# Altium PCB PCB - v2.PcbDoc (part 1 of 2) (continued)
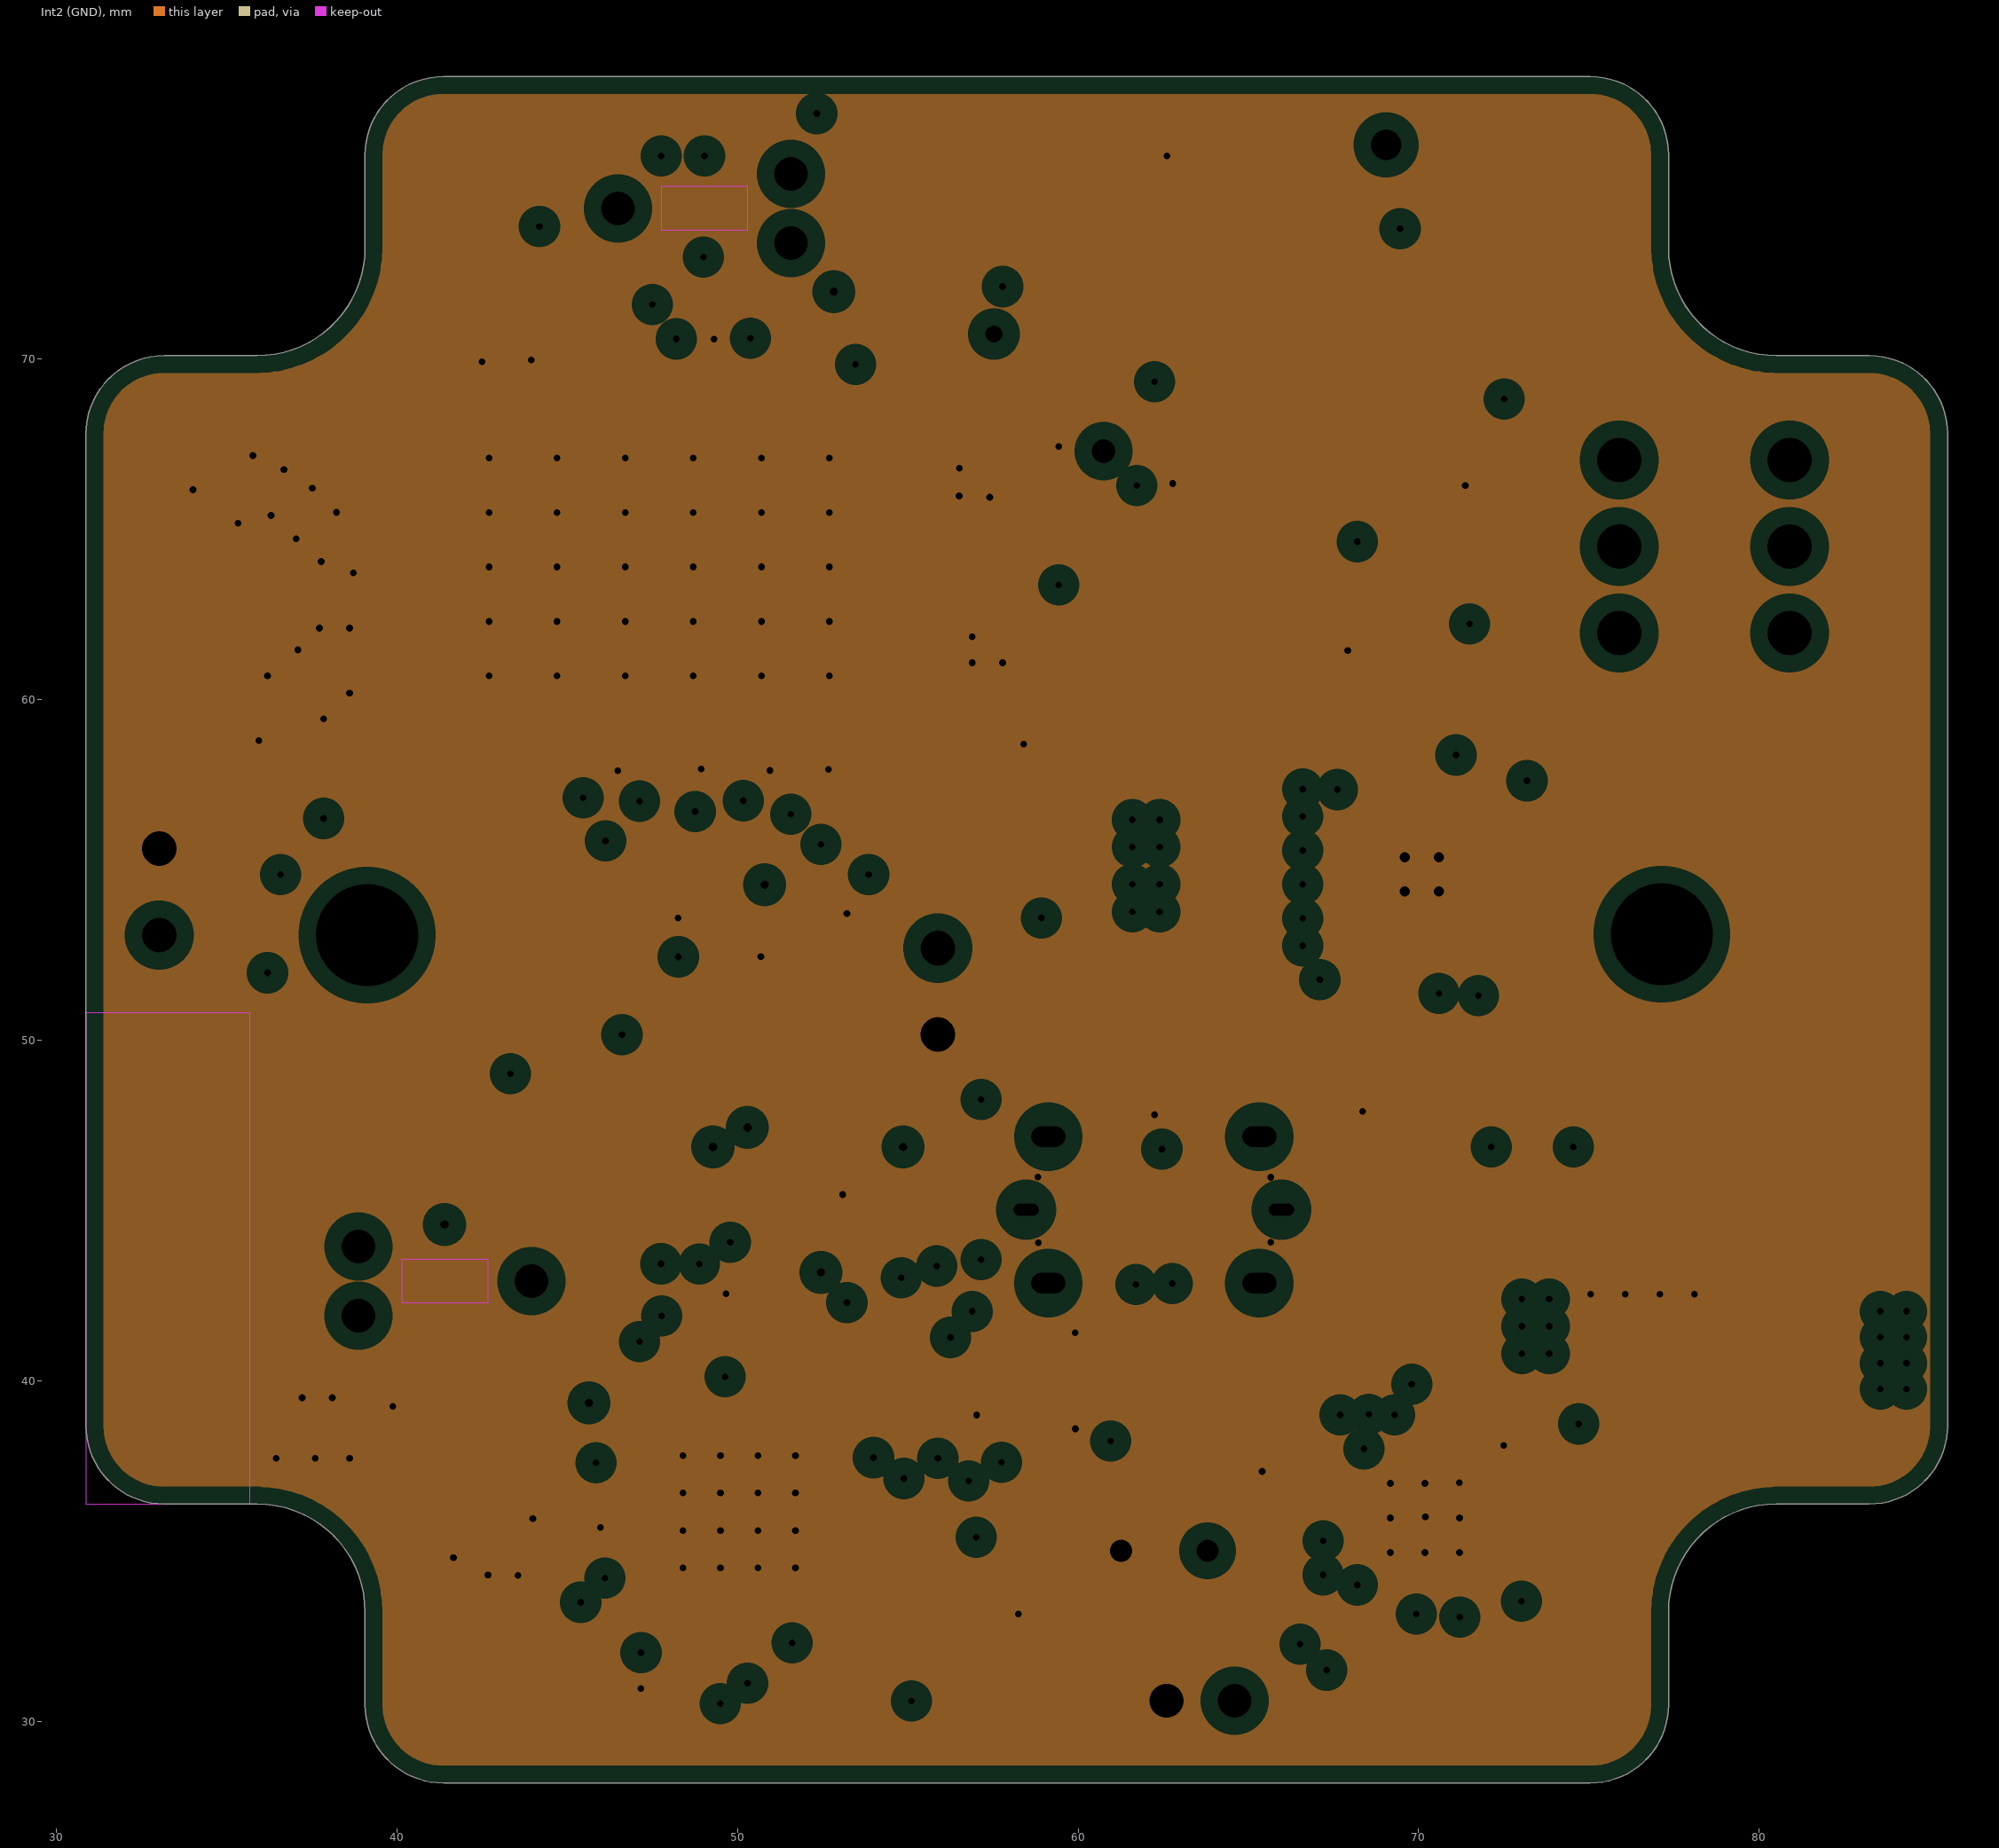
[diagram p3: Int2 (GND), clearances drawn from the general rule]
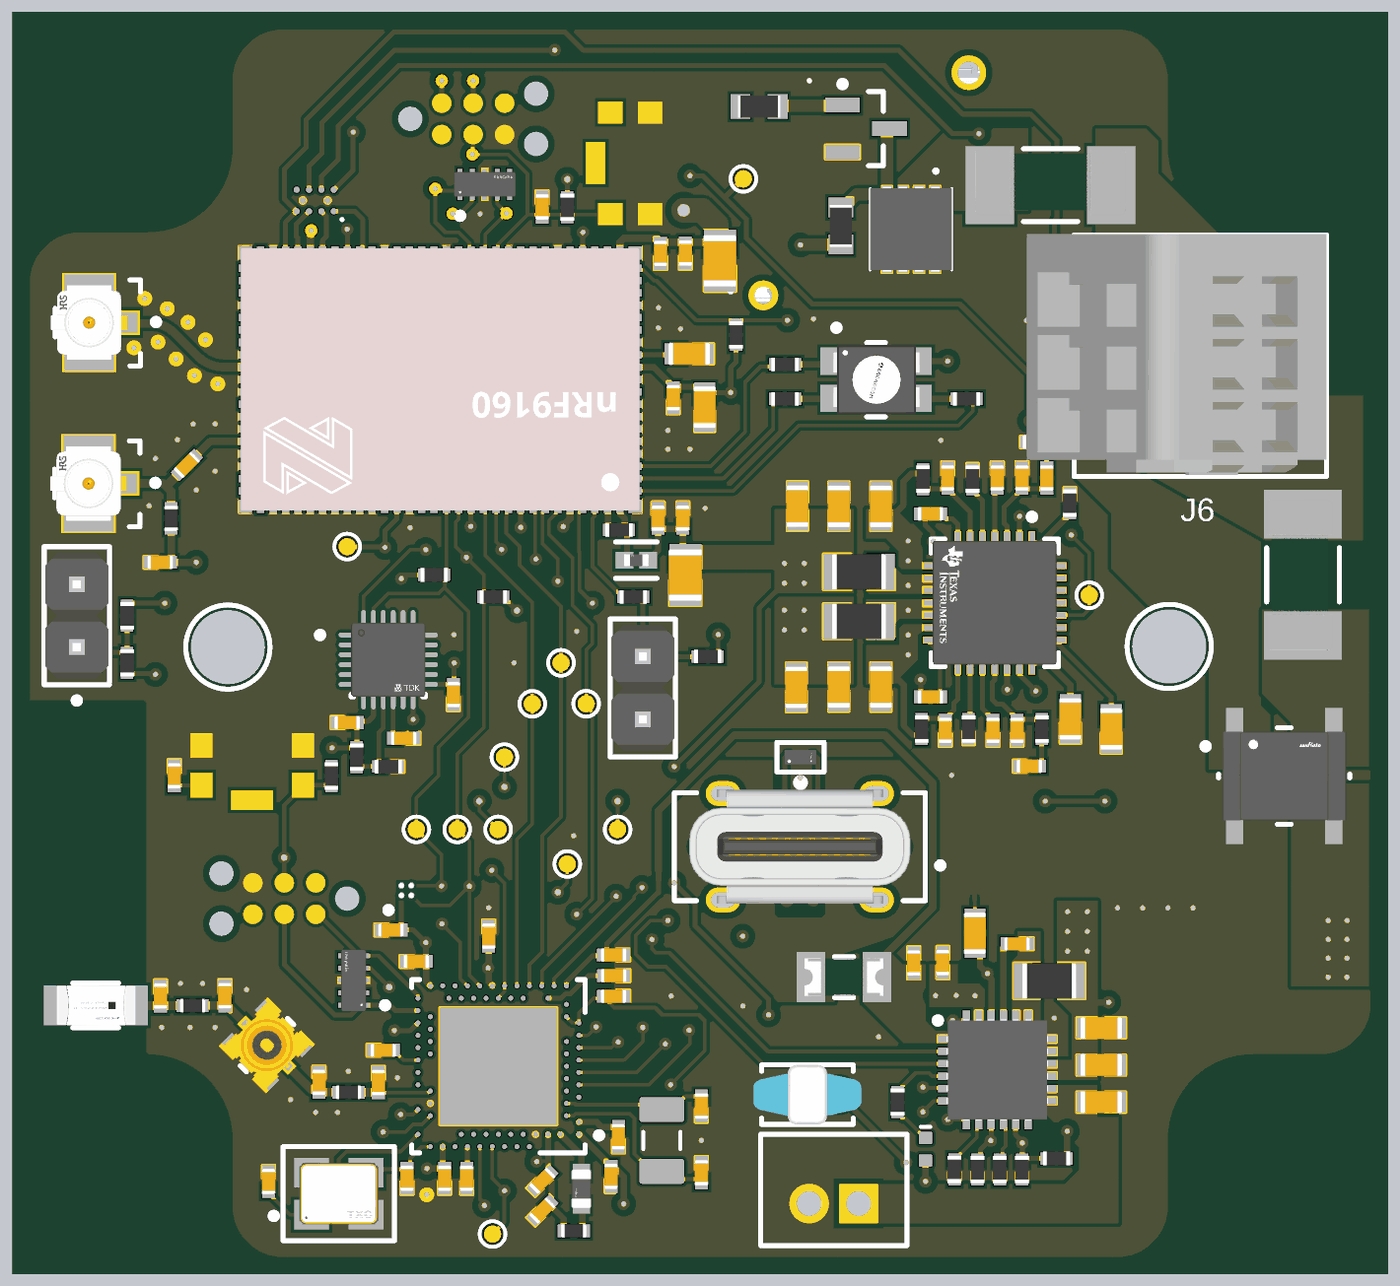
[diagram p5: 3D render of the assembled board from above, using the file's embedded part models]
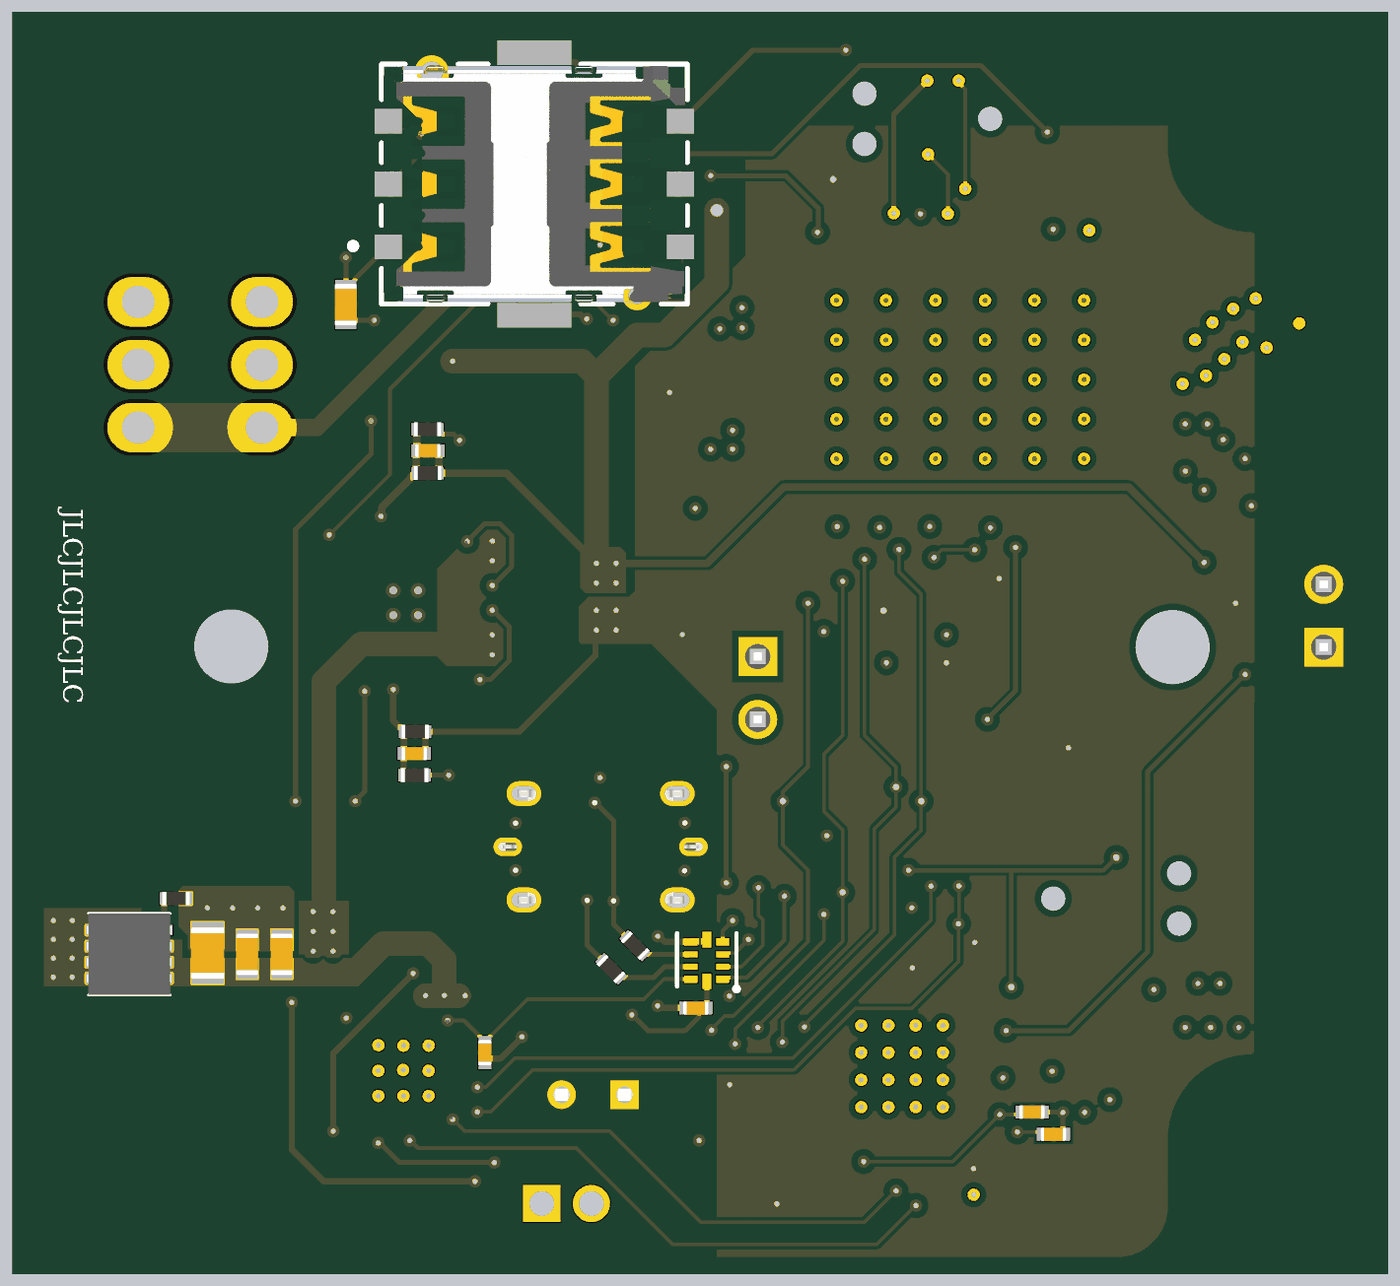
[diagram p6: 3D render of the assembled board from below, using the file's embedded part models]

## Layer stack, top to bottom
Top Solder: solder mask 0.0254, SM-001, Dk 4
Top Layer: signal copper 0.035
Dielectric 2: prepreg 0.2104, PP-017, Dk 4.6
Int1 (GND): plane copper 0.0152, net GND
Dielectric 3: core 1.065, Core-039, Dk 4.8
Int2 (GND): plane copper 0.0152, net GND
Dielectric 4: prepreg 0.2104, PP-017, Dk 4.6
Bottom Layer: signal copper 0.035
Bottom Solder: solder mask 0.0254, SM-001, Dk 4

## Board outline
33.162,36.379 35.894,36.379 cw(c35.894,33.212) 39.061,33.212 39.061,30.48 ccw(c41.357,30.48) 41.357,28.184 75.047,28.184 ccw(c75.047,30.48) 77.343,30.48 77.343,33.212 cw(c80.51,33.212) 80.51,36.379 83.242,36.379 ccw(c83.242,38.675) 85.538,38.675 85.538,67.812 ccw(c83.242,67.812) 83.242,70.108 80.51,70.108 cw(c80.51,73.275) 77.343,73.275 77.343,76.007 ccw(c75.047,76.007) 75.047,78.303 41.357,78.303 ccw(c41.357,76.007) 39.061,76.007 39.061,73.275 cw(c35.894,73.275) 35.894,70.108 33.162,70.108 ccw(c33.162,67.812) 30.866,67.812 30.866,38.675 ccw(c33.162,38.675)

## Design rules (kind name [scope] priority, off if disabled: settings)
BoardOutlineClearance [All] p1: gap=0.254 ignorepadtopadclearanceinfootprint=FALSE
Clearance Clearance_2 [All] p1: gap=0.13 ignorepadtopadclearanceinfootprint=FALSE except(0: Arc-Text Arc-Hole Track-Text Track-Hole SMDPad-Hole THPad-Hole Via-Hole Fill-Text Fill-Hole Poly-Text Poly-Hole Region-Text Region-Hole Text-Text Text-Hole; 0.15: SMDPad-Text; 0.2: SMDPad-THPad; 0.254: Arc-Via Track-Via SMDPad-Via THPad-THPad THPad-Via THPad-Fill THPad-Poly THPad-Region Via-Fill Via-Poly Via-Region; 0.33: Arc-THPad Track-THPad; 0.5: Via-Via)
Clearance Clearance_1 [All] p2: gap=0 ignorepadtopadclearanceinfootprint=FALSE except(0.13: Arc-Fill Arc-Poly Arc-Region Track-Fill Track-Poly Track-Region SMDPad-Fill SMDPad-Poly SMDPad-Region Fill-Fill Fill-Poly Fill-Region Fill-Text Poly-Poly Poly-Region Poly-Text Region-Region Region-Text; 0.15: SMDPad-Text; 0.254: THPad-THPad THPad-Via THPad-Fill THPad-Poly THPad-Region Via-Via Via-Fill Via-Poly Via-Region; 0.33: SMDPad-THPad)
Clearance [All] p3: gap=0.13 ignorepadtopadclearanceinfootprint=FALSE except(0: Arc-Text Arc-Hole Track-Text Track-Hole SMDPad-Hole THPad-Hole Via-Hole Fill-Text Fill-Hole Poly-Text Poly-Hole Region-Text Region-Hole Text-Text Text-Hole; 0.15: SMDPad-Text; 0.254: Arc-Via Track-Via SMDPad-Via THPad-THPad THPad-Via THPad-Fill THPad-Poly THPad-Region Via-Fill Via-Poly Via-Region; 0.33: Arc-THPad Track-THPad SMDPad-THPad; 0.5: Via-Via)
ComponentClearance [OnLayer('Mechanical Layer 68')] p1: gap=0 collisioncheckmode=3 verticalgap=0 showdistances=FALSE
ComponentClearance ComponentClearance_1 [All] p2: gap=0.254 collisioncheckmode=3 verticalgap=0.254 showdistances=FALSE
DiffPairsRouting [All] p1: maxlimit=0.254 minlimit=0.254 mostfreqgap=0.254 toplayer_minwidth=0.14 toplayer_maxwidth=0.4 toplayer_prefwidth=0.381 bottomlayer_minwidth=0.14 bottomlayer_maxwidth=0.4 bottomlayer_prefwidth=0.381 maxuncoupledlength=12.7
HoleSize "NPTH Slot" [(ObjectKind = 'Pad') And (PadIsPlated = 'False') And (HoleType = 'Slot')] p1: absolutevalues=TRUE maxlimit=2.54 minlimit=1 maxpercent=80.000 minpercent=20.000
HoleSize "PTH Slot" [(ObjectKind = 'Pad') And (PadIsPlated = 'True') And (HoleType = 'Slot')] p2: absolutevalues=TRUE maxlimit=2.54 minlimit=0.5 maxpercent=80.000 minpercent=20.000
HoleSize [All] p3: absolutevalues=TRUE maxlimit=6.3 minlimit=0.2 maxpercent=80.000 minpercent=20.000
MatchedLengths [InDifferentialPair('D')] p1: tolerance=25.4 checknetsindiffpair=FALSE checkdiffpairvsdiffpair=TRUE checkxsignals=TRUE checkothers=TRUE
MaxMinImpedance "USB Impedance" [InNetClass('USB')] p1: minimum=85,00 maximum=95,00
MaxMinImpedance "RF Impedance" [InNetClass('RF')] p2: minimum=45,00 maximum=55,00
MinimumAnnularRing Via [IsVia] p1: minimumring=0.13
MinimumSolderMaskSliver [All] p1: minsoldermaskwidth=0.1
PlaneClearance [All] p1: clearance=0.508
PlaneConnect [All] p1: planeconnectstyle=Direct reliefexpansion=0.508 reliefentries=4 reliefconductorwidth=0.254 reliefairgap=0.254
PolygonConnect [All] p1: connectstyle=Direct reliefconductorwidth=0.254 reliefentries=4 polygonreliefangle="90 Angle" airgapwidth=0.254
RoutingVias [All] p1: holewidth=0.25 width=0.5 viastyle="Through Hole" minholewidth=0.2 minwidth=0.4 maxholewidth=0.5 maxwidth=1
SilkToSilkClearance [All] p1: silktosilkclearance=0.15
SilkToSolderMaskClearance [IsPad] p1: minsilkscreentomaskgap=0.15 clearancetoexposedcopper=TRUE
SolderMaskExpansion [All] p1: expansion=0.05 istentingtop=FALSE
SupplyNets "Schematic Supply Nets" [InNet('NetF2_1')] p1: voltage=14,00
Width [All] p1: maxlimit=2.5 minlimit=0.13 preferedwidth=0.254 minimp=50.000000 maximp=50.000000 favimp=50.000000
22 further rules are at their usual default settings.

## Classes and differential pairs
net class USB: D_BM_N D_BM_P D_MCU_N D_MCU_P D_N D_P
differential pair class USB: D D_BM D_DS D_MCU
net class RF: BLE_ANT GPS_RF1 GPS_RF2 LTE_RF
net class "High Power": NetF2_1 NetF2_2
component class Sensors: C14 C35 C36 C37 C38 D1 F2 J3 Q2 Q3 R20 R21 R22 R23 R24 R29 R30 TP17 U4 U5 U6
component class Power: C1 C13 C15 C16 C17 C18 C19 C21 C22 C23 C24 C25 C26 C27 C28 C29 C30 C31 C32 C33 C34 C66 C67 C68 C69 C70 C71 C72 C73 C74 C75 F1 L2 L3 L4 L6 LED1 Q1 R3 R4 R5 R6 R7 R8 R9 R10 R11 R12 R13 R14 R15 R16 R17 R18 R19 R27 R31 R33 ST1 TP14 TP15 TP16 U2 U3
component class Connectors: C20 D2 D3 F3 H1 H2 J4 J5 J6 P1 P2 R25 R26 U7 U8
component class 52840: ANT1 C39 C40 C41 C42 C43 C45 C46 C47 C48 C49 C50 C51 C52 C53 C54 C55 C56 C57 C58 C60 C63 C64 C65 J7 J9 L5 L7 L8 L9 R34 R35 R36 SW2 U10 Y1 Y2
component class 9160: C2 C3 C4 C5 C6 C7 C8 C9 C10 C11 C12 C59 FB1 J1 J2 J8 L1 R1 R2 R28 R32 R39 R40 SW1 TP1 TP2 TP3 TP4 TP5 TP6 TP7 TP8 TP9 U1
differential pair D_MCU: +D_MCU_P -D_MCU_N
differential pair D_BM: +D_BM_P -D_BM_N
differential pair D: +D_P -D_N

## Components (designator, comment, footprint, x,y, rotation, side; value= is the part's Value field where it differs from the comment)
ANT1 "AMCA31-2R450G-S1F-T3" FP-AMCA31-MFG 33.782,38.608 r180 top
C1 "Capacitor 0603" "CAPC1608X90X40LL10T20 HD" 74.4,34.7 r180 top value=?F
C2 "Capacitor 0805" "CAPC2013X95X50LL10T25 HD" 57.6,56 r90 top value=?F
C3 "Capacitor 0402" "CAPC1005X55X25LL05T10 HD" 57.5,58.3 r270 top value=?F
C4 "Capacitor 0402" "CAPC1005X55X25LL05T10 HD" 56.5,58.3 r270 top value=?F
C5 "Capacitor 0402" "CAPC1005X55X25LL05T10 HD" 36.39,56.515 r180 top value=?F
C6 "Capacitor 0402" "CAPC1005X55X25LL05T10 HD" 37.465,60.452 r45 top value=?F
C7 "Capacitor 0603" "CAPC1608X90X40LL10T20 HD" 58.381,62.784 r90 top value=?F
C8 "Capacitor 0402" "CAPC1005X55X25LL05T10 HD" 57.111,63.165 r90 top value=?F
C9 "Capacitor 0603" "CAPC1608X90X40LL10T20 HD" 57.756,64.943 r180 top value=?F
C10 "Capacitor 0805" "CAPC2013X95X50LL10T25 HD" 59,68.7 r90 top value=?F
C11 "Capacitor 0402" "CAPC1005X55X25LL05T10 HD" 57.603,69.013 r90 top value=?F
C12 "Capacitor 0402" "CAPC1005X55X25LL05T10 HD" 56.6,69 r90 top value=?F
C13 "Capacitor 0805" "CAPC2013X95X50LL10T25 HD" 78.1,40.725 r270 bottom value=?F
C14 "Capacitor 0603" "CAPC1608X90X40LL10T20 HD" 72.517,66.929 r90 bottom value=?F
C15 "Capacitor 0603" "CAPC1608X90X40LL10T20 HD" 75.1,40.675 r270 bottom value=?F
C16 "Capacitor 0402" "CAPC1005X55X25LL05T10 HD" 67.499,58.476 r180 top value=?F
C17 "Capacitor 0402" "CAPC1005X55X25LL05T10 HD" 69.199,61.025 r180 bottom value=?F
C18 "Capacitor 0402" "CAPC1005X55X25LL05T10 HD" 71,41.1 r0 top value=?F
C19 "Capacitor 0402" "CAPC1005X55X25LL05T10 HD" 66.827,40.325 r270 top value=?F
C20 "Capacitor 0402" "CAPC1005X55X25LL05T10 HD" 58.381,38.504 r180 bottom value=100nF
C21 "Capacitor 0603" "CAPC1608X90X40LL10T20 HD" 74.4,37.7 r180 top value=?F
C22 "Capacitor 0603" "CAPC1608X90X40LL10T20 HD" 74.4,36.2 r180 top value=?F
C23 "Capacitor 0402" "CAPC1005X55X25LL05T10 HD" 72.199,59.926 r90 top value=?F
C24 "Capacitor 0603" "CAPC1608X90X40LL10T20 HD" 69.3,41.525 r90 top value=?F
C25 "Capacitor 0402" "CAPC1005X55X25LL05T10 HD" 68.199,59.926 r270 top value=?F
C26 "Capacitor 0402" "CAPC1005X55X25LL05T10 HD" 70.199,59.926 r270 top value=?F
C27 "Capacitor 0402" "CAPC1005X55X25LL05T10 HD" 71.199,59.926 r270 top value=?F
C28 "Capacitor 0402" "CAPC1005X55X25LL05T10 HD" 67.499,51.076 r180 top value=?F
C29 "Capacitor 0402" "CAPC1005X55X25LL05T10 HD" 66.9,36.7 r90 bottom value=?F
C30 "Capacitor 0402" "CAPC1005X55X25LL05T10 HD" 68.099,49.726 r90 top value=?F
C31 "Capacitor 0402" "CAPC1005X55X25LL05T10 HD" 70.028,49.726 r90 top value=?F
C32 "Capacitor 0402" "CAPC1005X55X25LL05T10 HD" 69.753,48.786 r180 bottom value=?F
C33 "Capacitor 0402" "CAPC1005X55X25LL05T10 HD" 70.999,49.726 r90 top value=?F
C34 "Capacitor 0402" "CAPC1005X55X25LL05T10 HD" 71.499,48.276 r0 top value=?F
C35 "Capacitor 0402" "CAPC1005X55X25LL05T10 HD" 46.228,49.403 r180 top value=?F
C36 "Capacitor 0402" "CAPC1005X55X25LL05T10 HD" 45.711,41.656 r0 top value=?F
C37 "Capacitor 0402" "CAPC1005X55X25LL05T10 HD" 48.234,51.173 r90 top value=?F
C38 "Capacitor 0402" "CAPC1005X55X25LL05T10 HD" 43.942,50.038 r0 top value=?F
C39 "Capacitor 0402" "CAPC1005X55X25LL05T10 HD" 40.767,31.496 r270 top value=?F
C40 "Capacitor 0402" "CAPC1005X55X25LL05T10 HD" 51.824,31.524 r45 top value=?F
C41 "Capacitor 0402" "CAPC1005X55X25LL05T10 HD" 51.824,30.324 r45 top value=?F
C42 "Capacitor 0402" "CAPC1005X55X25LL05T10 HD" 48.768,31.623 r90 top value=?F
C43 "Capacitor 0402" "CAPC1005X55X25LL05T10 HD" 46.355,31.623 r90 top value=?F
C45 "Capacitor 0402" "CAPC1005X55X25LL05T10 HD" 47.879,31.623 r90 top value=?F
C46 "Capacitor 0402" "CAPC1005X55X25LL05T10 HD" 43.933,33.401 r0 bottom value=?F
C47 "Capacitor 0402" "CAPC1005X55X25LL05T10 HD" 54.9,33.3 r90 top value=?F
C48 "Capacitor 0402" "CAPC1005X55X25LL05T10 HD" 54.6,31.7 r90 top value=?F
C49 "Capacitor 0402" "CAPC1005X55X25LL05T10 HD" 44.8,34.3 r0 bottom value=?F
C50 "Capacitor 0402" "CAPC1005X55X25LL05T10 HD" 58.25,31.85 r270 top value=?F
C51 "Capacitor 0402" "CAPC1005X55X25LL05T10 HD" 58.25,34.54 r90 top value=?F
C52 "Capacitor 0402" "CAPC1005X55X25LL05T10 HD" 45.2,35.49 r270 top value=?F
C53 "Capacitor 0402" "CAPC1005X55X25LL05T10 HD" 42.8,35.5 r270 top value=?F
C54 "Capacitor 0402" "CAPC1005X55X25LL05T10 HD" 39,39 r270 top value=?F
C55 "Capacitor 0402" "CAPC1005X55X25LL05T10 HD" 36.4,38.99 r270 top value=?F
C56 "Capacitor 0402" "CAPC1005X55X25LL05T10 HD" 45.4,36.8 r0 top value=?F
C57 "Capacitor 0402" "CAPC1005X55X25LL05T10 HD" 54.698,38.981 r180 top value=?F
C58 "Capacitor 0402" "CAPC1005X55X25LL05T10 HD" 54.7,40.647 r180 top value=?F
C59 "Capacitor 0402" "CAPC1005X55X25LL05T10 HD" 51.816,70.875 r270 top value=?F
C60 "Capacitor 0402" "CAPC1005X55X25LL05T10 HD" 36.957,47.888 r270 top value=?F
C63 "Capacitor 0402" "CAPC1005X55X25LL05T10 HD" 54.704,39.811 r180 top value=?F
C64 "Capacitor 0402" "CAPC1005X55X25LL05T10 HD" 49.657,41.411 r270 top value=?F
C65 "Capacitor 0402" "CAPC1005X55X25LL05T10 HD" 46.736,40.386 r0 top value=?F
C66 "Capacitor 0603" "CAPC1608X90X40LL10T20 HD" 74.803,49.784 r90 top value=?F
C67 "Capacitor 0603" "CAPC1608X90X40LL10T20 HD" 76.5,40.675 r270 bottom value=?F
C68 "Capacitor 0603" "CAPC1608X90X40LL10T20 HD" 73.151,50.188 r90 top value=?F
C69 "Capacitor 0603" "CAPC1608X90X40LL10T20 HD" 65.499,51.476 r90 top value=?F
C70 "Capacitor 0603" "CAPC1608X90X40LL10T20 HD" 63.799,58.776 r270 top value=?F
C71 "Capacitor 0603" "CAPC1608X90X40LL10T20 HD" 62.128,58.784 r270 top value=?F
C72 "Capacitor 0603" "CAPC1608X90X40LL10T20 HD" 65.499,58.776 r270 top value=?F
C73 "Capacitor 0402" "CAPC1005X55X25LL05T10 HD" 68,40.34 r270 top value=?F
C74 "Capacitor 0603" "CAPC1608X90X40LL10T20 HD" 63.799,51.476 r90 top value=?F
C75 "Capacitor 0603" "CAPC1608X90X40LL10T20 HD" 62.085,51.462 r90 top value=?F
D1 "ASMB-BTE1-0B332 RGB LED" FP-ASMB-BTE1-0B332-MFG 65.302,63.893 r270 top
D2 "PUSB3FA0" FP-SOT1176-1-MFG 49.5,71.787 r180 top
D3 "PUSB3FA0" FP-SOT1176-1-MFG 44.202,39.616 r270 top
F1 "0451005.MRL" FP-0451-MFG 82.55,56.007 r270 top value=0.0125Ω
F2 "0451005.MRL" FP-0451-MFG 72.352,71.755 r180 top value=0.0125Ω
F3 "0468001.NR" FP-0468-MFG 64.008,39.751 r0 top value=0.079Ω
FB1 "BLM15PX121SN1D" FP-BLM15-0_05-d0_7-IPC_A 55.621,56.6 r180 top
H1 "Hole_3MM_NP" Hole_3MM_NP-Footprint-1 39.116,53.086 r0 top locked value=3mm,N.P
H2 "Hole_3MM_NP" Hole_3MM_NP-Footprint-1 77.138,53.113 r0 top locked value=3mm,N.P
J1 "U.FL-R-SMT-1(80)" FP-U_FL-R-SMT-1_80-MFG 33.494,59.7 r90 top
J2 "U.FL-R-SMT-1(80)" FP-U_FL-R-SMT-1_80-MFG 33.519,66.2 r90 top
J3 "SIM8051-6-0-14-01-A" FP-SIM8051-6-0-14-01-A-MFG 64.9,71.8 r270 bottom
J4 "204711-0001" FP-204711-0001-MFG 62.226,45.02 r180 top
J5 "B2B-PH-K-S(LF)(SN)" JST-B2B-PH-K-S_V 63.6,31.15 r180 top
J6 "2834085-2" "New footprint 1"#1 75.9,67.04 r270 top
J7 "MM8130-2600RA2" FP-MM8130-2600RA2-MFG 40.7,37 r45 top
J8 "M20-9990246" FP-M20-9990246-MFG 55.88,51.435 r270 top
J9 "M20-9990246" FP-M20-9990246-MFG 33.02,54.356 r90 top
L1 "Inductor 0402" INDC1005X55X25LL05T10_A 36.83,58.293 r270 top value=?H
L2 "Inductor 0805" INDC2013X105X50NL20T20 64.616,56.131 r180 top value=?H
L3 "Inductor 0805" INDC2013X105X50NL20T20 72.3,39.6 r0 top value=?H
L4 "Inductor 0805" INDC2013X105X50NL20T20 64.616,54.131 r180 top value=?H
L5 "Inductor 0402" INDC1005X55X25LL05T10_A 53.095,29.5 r180 top value=?H
L6 "DLW5ATN231TQ2L" FP-DLW5A-MFG 81.788,47.879 r90 top
L7 "Inductor 0603" FP-LQM18DN_70-MFG 53.4,31.2 r270 top value=?H
L8 "Inductor 0402" INDC1005X55X25LL05T10_A 43.995,35.1 r180 top value=?H
L9 "Inductor 0402" INDC1005X55X25LL05T10_A 37.7,38.6 r180 top value=?H
LED1 "QBLP595-R" QTB-QBLP595_V 67.3,32.8 r270 top
P1 "TC2030-IDC-NL" "New footprint 1"#2 47.76,73.8 r0 top
P2 "TC2030-IDC-NL" "New footprint 1"#2 42.672,43.561 r180 top
Q1 "DMP3007SCG-13" DMP3007SCG13 79.864,40.679 r90 bottom
Q2 "DMP3007SCG-13" DMP3007SCG13 66.716,71.374 r180 top
Q3 "2N7002CK,215" NXP-SOT23_N 64.897,74.041 r0 top
R1 "Resistor 0403" "RESC1005X40X25LL10T10 HD" 54.922,57.821 r0 top value=?R
R2 "Resistor 0403" "RESC1005X40X25LL10T10 HD" 47.454,56.007 r180 top value=?R
R3 "Resistor 0403" "RESC1005X40X25LL10T10 HD" 79.375,42.926 r0 bottom value=?R
R4 "Resistor 0403" "RESC1005X40X25LL10T10 HD" 69.214,60.119 r180 bottom value=?R
R5 "Resistor 0403" "RESC1005X40X25LL10T10 HD" 67.199,59.876 r90 top value=?R
R6 "Resistor 0403" "RESC1005X40X25LL10T10 HD" 69.219,61.89 r0 bottom value=?R
R7 "Resistor 0403" "RESC1005X40X25LL10T10 HD" 71.774,61.376 r180 top value=?R
R8 "Resistor 0403" "RESC1005X40X25LL10T10 HD" 69.199,59.876 r270 top value=?R
R9 "Resistor 0403" "RESC1005X40X25LL10T10 HD" 67.143,49.776 r270 top value=?R
R10 "Resistor 0403" "RESC1005X40X25LL10T10 HD" 69.041,49.776 r90 top value=?R
R11 "Resistor 0403" "RESC1005X40X25LL10T10 HD" 69.718,49.669 r180 bottom value=?R
R12 "Resistor 0403" "RESC1005X40X25LL10T10 HD" 66.171,34.7 r270 top value=?R
R13 "Resistor 0403" "RESC1005X40X25LL10T10 HD" 72.595,32.423 r0 top value=?R
R14 "Resistor 0403" "RESC1005X40X25LL10T10 HD" 59.648,65.701 r270 top value=?R
R15 "Resistor 0403" "RESC1005X40X25LL10T10 HD" 71.2,31.975 r90 top value=?R
R16 "Resistor 0403" "RESC1005X40X25LL10T10 HD" 69.738,47.912 r0 bottom value=?R
R17 "Resistor 0403" "RESC1005X40X25LL10T10 HD" 70.3,31.975 r90 top value=?R
R18 "Resistor 0403" "RESC1005X40X25LL10T10 HD" 71.999,49.776 r90 top value=?R
R19 "Resistor 0403" "RESC1005X40X25LL10T10 HD" 73.128,58.906 r270 top value=?R
R20 "Resistor 0403" "RESC1005X40X25LL10T10 HD" 44.323,48.641 r90 top value=?R
R21 "Resistor 0403" "RESC1005X40X25LL10T10 HD" 45.599,48.26 r180 top value=?R
R22 "Resistor 0403" "RESC1005X40X25LL10T10 HD" 61.628,63.119 r0 top value=?R